# Altium PCB DM1097_R2M0E2.PcbDoc (part 2 of 7)
Units mm, origin at the board's own origin, x right, y up, seen from the top; angles counter-clockwise.
Board outline 110 x 60 mm, 6 copper layers (Top Copper, GND 1, PWR, Signal Layer 1, GND 2, Bottom Copper), stack 1.597 mm thick; 274 components, 266 nets, 1212 pads, 803 vias.
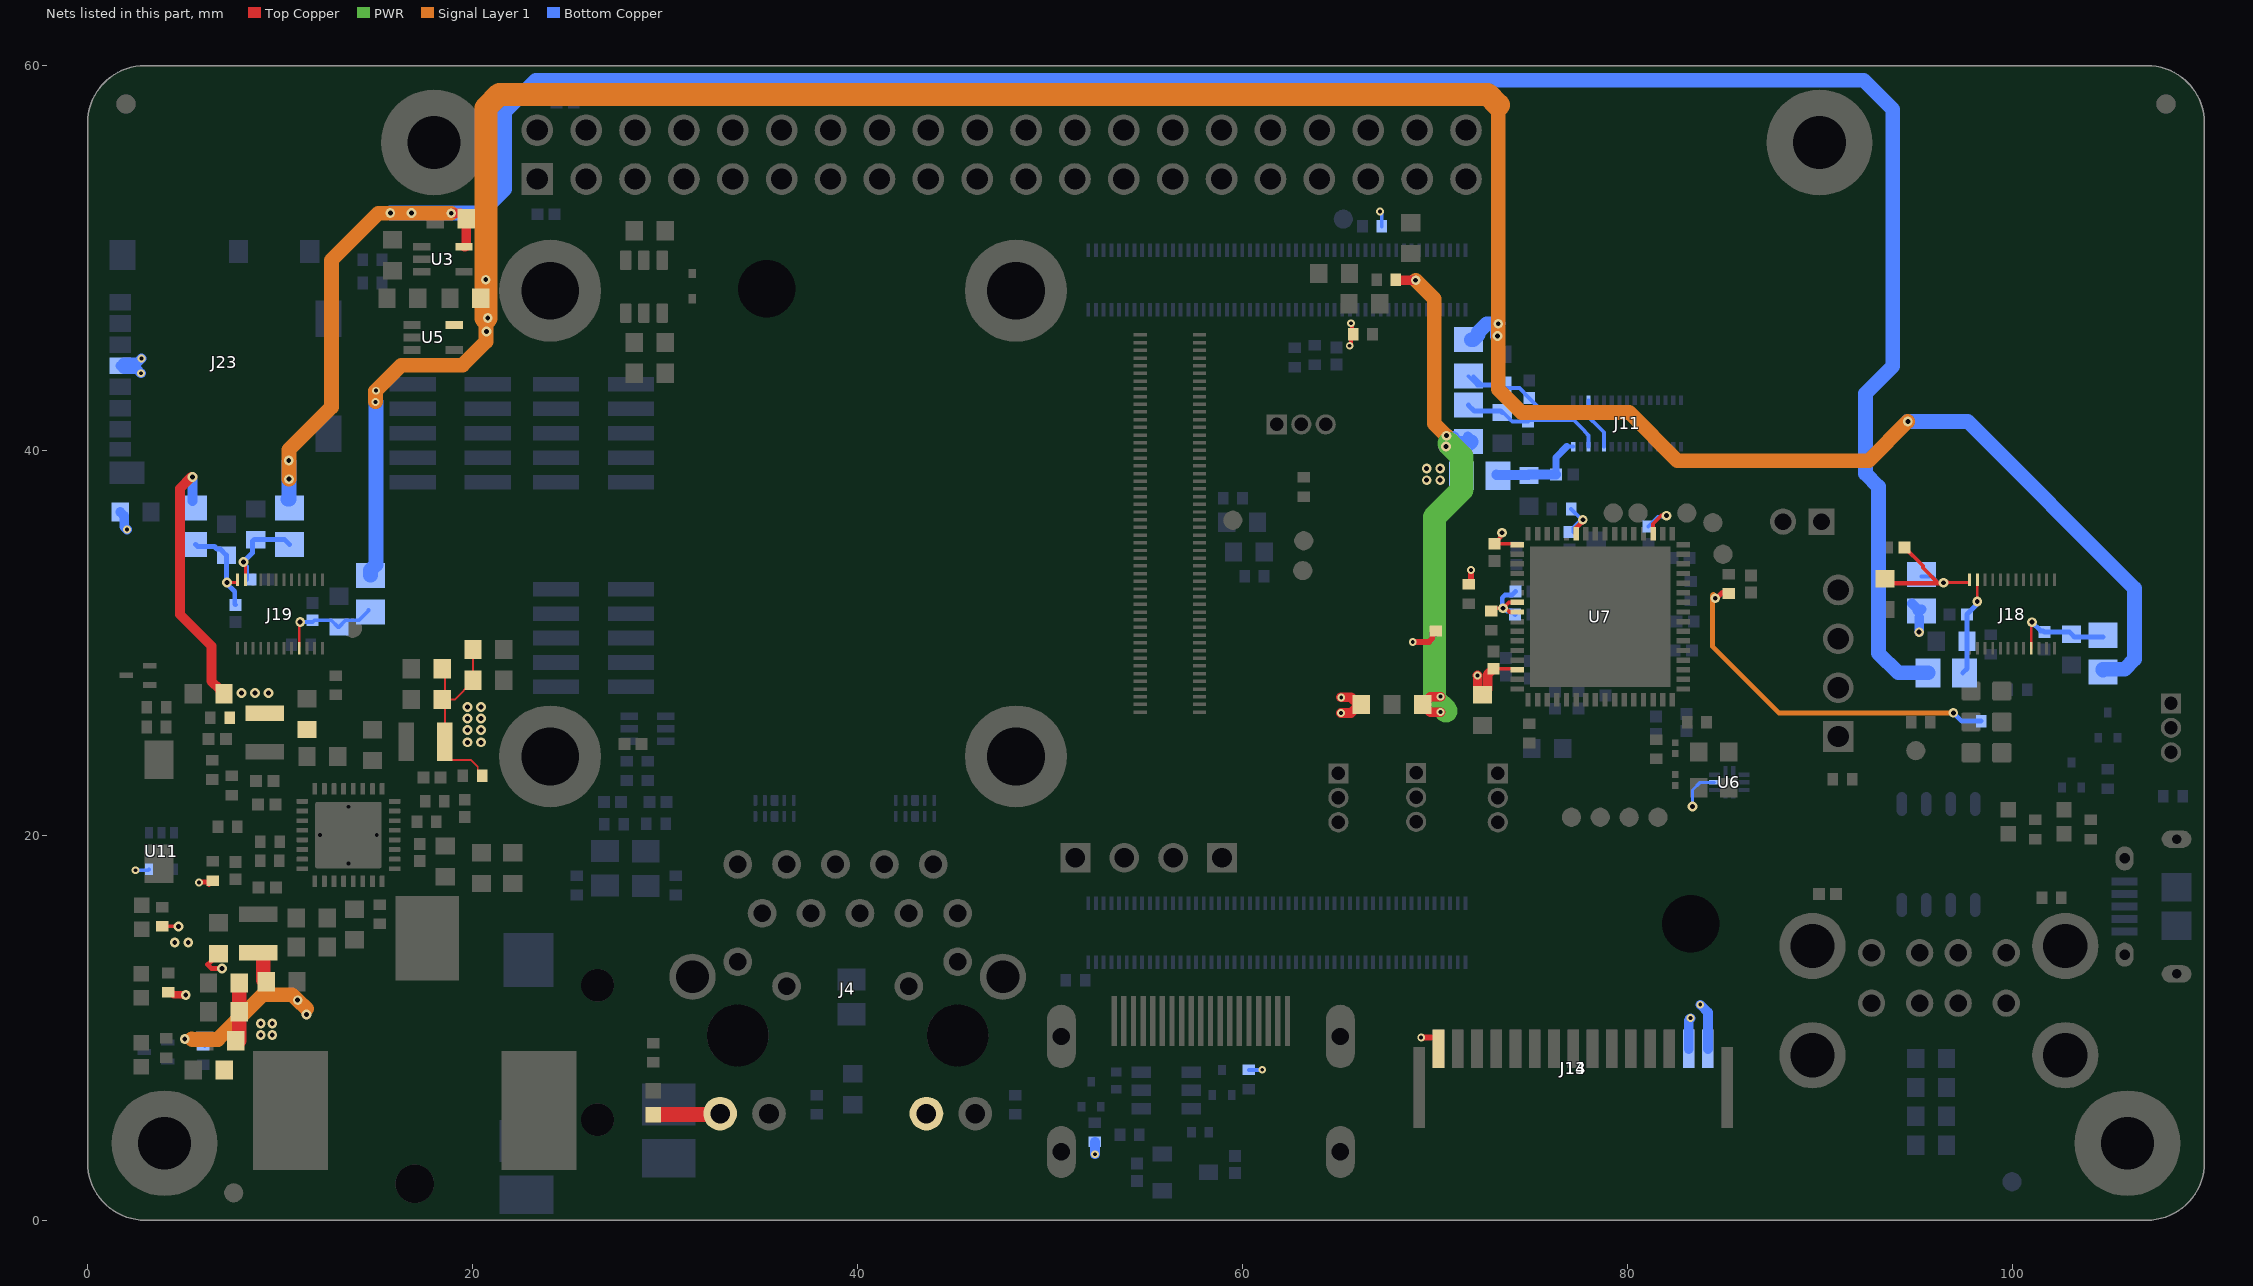
[diagram p6: the nets of this part, all layers, seen from the top]

## Footprints (in the part's own frame and the unit in brackets; to place one, negate y for a bottom-side part, rotate by r counter-clockwise, add the part's x,y. Pads: shape width x height; smd on the part's side, far side on the other; paste and mask are expansions set on the pad) (continued)
TG161B-201_HD [mm] "IPC High density version"
  rect 0.15x0.65 smd mask+0.05: 1(-2.2,1.775) 2(-1.8,1.775) 3(-1.4,1.775) 4(-1,1.775) 5(-0.6,1.775) 6(-0.2,1.775) 7(0.2,1.775) 8(0.6,1.775) 9(1,1.775) 10(1.4,1.775) 11(1.8,1.775) 12(2.2,1.775) 13(2.2,-1.775) 14(1.8,-1.775) 15(1.4,-1.775) 16(1,-1.775) 17(0.6,-1.775) 18(0.2,-1.775) 19(-0.2,-1.775) 20(-0.6,-1.775) 21(-1,-1.775) 22(-1.4,-1.775) 23(-1.8,-1.775) 24(-2.2,-1.775)
  Top Copper keep-out region: -4.25,2.25 4.25,2.25 4.25,17.25 -4.25,17.25
  Top Copper keep-out region: -4.25,17.25 4.25,17.25 4.25,25.75 -4.25,25.75
  silkscreen extent -5.25,-2.25 5.25,25.75, body extent -5.25,-2.25 5.25,25.75, height 4.4
TLV70012DCK [mm] "SC70-5 1.1mm"
  rect 0.4x0.9 smd paste-0.025 mask+0.05: 1(-0.65,-1.1) 2(0,-1.1) 3(0.65,-1.1) 4(0.65,1.1) 5(-0.65,1.1)
  silkscreen extent -1.13,-1.63 -1.07,-1.57, body extent -1.1,-1.2 1.1,1.2, height 1.1
TLV70028DCK [mm] "SC70-5 1.1mm"
  rect 0.4x0.9 smd paste-0.025 mask+0.05: 1(-0.65,-1.1) 2(0,-1.1) 3(0.65,-1.1) 4(0.65,1.1) 5(-0.65,1.1)
  silkscreen extent -0.66,-1.93 -0.61,-1.88, body extent -1.1,-1.2 1.1,1.2, height 1.1
TP100_200_NS#1 [mm] "1mm dia pad, 2mm dia clearance, no silk screen"
  round 1 smd paste-2: 1(0.222,0)
TP100_200_NS#2 [mm] "1mm dia pad, 2mm dia clearance, no silk screen"
  round 1 smd paste-2: 1(0.3,0)
TP100_200_NS#3 [mm] "1mm dia pad, 2mm dia clearance, no silk screen"
  round 1 smd paste-2: 1(0.174,0)
TP100_200_NS#4 [mm] "1mm dia pad, 2mm dia clearance, no silk screen"
  round 1 smd paste-2: 1(0.227,0)
TP100_200_NS#5 [mm] "1mm dia pad, 2mm dia clearance, no silk screen"
  round 1 smd paste-2: 1(0,0)
TPD4E02B04DQAR [mm] "TPD4E02B04DQAR"
  rrect50% 0.2x0.565 smd mask+0.07: 1(-1,-0.417) 2(-0.5,-0.417) 4(0.5,-0.417) 5(1,-0.417) 6(1,0.417) 7(0.5,0.417) 9(-0.5,0.417) 10(-1,0.417)
  rrect25% 0.4x0.565 smd mask+0.07: 3(0,-0.417) 8(0,0.417)
  silkscreen extent -1.4,-1.01 1.4,0.5, body extent -1.2,-0.71 1.2,0.71, height 0.55
TPS65266RHBT [mm] "QFN, 32-Leads, Body 5.00x5.00mm, Pitch 0.50mm, Thermal Pad 3.45x3.45mm, IPC Medium Density"
  rrect25% 0.6x0.25 smd mask+0.07: 1(-2.4,1.75) 2(-2.4,1.25) 3(-2.4,0.75) 4(-2.4,0.25) 5(-2.4,-0.25) 6(-2.4,-0.75) 7(-2.4,-1.25) 8(-2.4,-1.75) 17(2.4,-1.75) 18(2.4,-1.25) 19(2.4,-0.75) 20(2.4,-0.25) 21(2.4,0.25) 22(2.4,0.75) 23(2.4,1.25) 24(2.4,1.75)
  rrect25% 0.25x0.6 smd mask+0.07: 9(-1.75,-2.4) 10(-1.25,-2.4) 11(-0.75,-2.4) 12(-0.25,-2.4) 13(0.25,-2.4) 14(0.75,-2.4) 15(1.25,-2.4) 16(1.75,-2.4) 25(1.75,2.4) 26(1.25,2.4) 27(0.75,2.4) 28(0.25,2.4) 29(-0.25,2.4) 30(-0.75,2.4) 31(-1.25,2.4) 32(-1.75,2.4)
  round 0.406 hole 0.203: 33(-1.475,0) 33(0,-1.475) 33(1.475,0) ""(0,1.475)
  rrect5% 3.45x3.45 smd paste-10 mask+0.07: 33(0,0)
  silkscreen extent -3.13,-2.7 2.7,2.7, body extent -2.5,-2.5 2.5,2.5, height 1
TRJG0926HENL [mm] "TRXCOM TRJG0926HENL 1000BASE-T PoE"
  round 1.5 hole 0.9: 1(-5.715,8.89) 2(-4.445,6.35) 3(-3.175,8.89) 4(-1.905,6.35) 5(-0.635,8.89) 6(0.635,6.35) 7(1.905,8.89) 8(3.175,6.35) 9(4.445,8.89) 10(5.715,6.35) 11(-5.715,3.83) 12(-3.175,2.56) 13(3.175,2.56) 14(5.715,3.83)
  round 1.75 hole 1.02: 15(-6.63,-4.06) 16(-4.09,-4.06) 17(4.09,-4.06) 18(6.63,-4.06)
  round 2.4 hole 1.7: 19(8.064,3.05) 20(-8.064,3.05)
  round 3.2 hole 3.2: ""(-5.715,0) ""(5.715,0)
  silkscreen extent -8.11,-5 8.11,10.45, body extent -8.11,-10.8 8.11,10.45, height 13.65

## Part data
B1: library part DTSM-32N-V, "SWITCH TACTILE SMT 3.5mm * 6mm , brown 160gf", Manufacturer 1=Diptronics, Manufacturer Part Number 1=DTSM-32N-V-T/R, Max Operating Temperature=80°C, Min Operating Temperature=-30°C, Supplier Part Number 1=113-DTSM32NVTR, ComponentLink1Description=https://datasheet.ciiva.com/29188/708548-da-01-en-tastschalter-smd-dtsm-32n-v-tr-1600st-29188823.pdf?src-supplier=Conrad, ComponentLink1URL=https://datasheet.ciiva.com/29188/708548-da-01-en-tastschalter-smd-dtsm-32n-v-tr-1600st-29188823.pdf?src-supplier=Conrad, Height=5mm, Length=6mm, Pricing 1="1=0.38000, 10=0.38000, 50=0.31000, 100=0.28200, 500=0.25600, 1000=0.23600, 1600=0.20900, 4800=0.18800, 9600=0.17300, 10000=0.17300, 24000=0.16100 (USD)", RoHS=No, Stock 1=3199, Supplier 1=Mouser, Width=3.5mm
C6 C76: library part GRM155R61E105KA12D, "CAP CER 1UF 25V X5R 0402 10%", Capacitance=1uF, Case/Package=0402, Case Code (Metric)=1005, Dielectric=X5R, Manufacturer 1=Murata, Max Operating Temperature=85°C, Min Operating Temperature=-55°C, Package Quantity=10000, Supplier Part Number 1=490-10017-1-ND, Tolerance=10%, Voltage=25V, Case Code (Imperial)=0402, ComponentLink1Description=https://datasheet.ciiva.com/22732/1666664-22732122.pdf?src-supplier=Element14, ComponentLink1URL=https://datasheet.ciiva.com/22732/1666664-22732122.pdf?src-supplier=Element14, ComponentLink2Description=https://datasheet.ciiva.com/7719/1666664-7719006.pdf?src-supplier=Element14, ComponentLink2URL=https://datasheet.ciiva.com/7719/1666664-7719006.pdf?src-supplier=Element14, Depth=0.5mm, Height=0.5mm, Lead Free="Lead Free", Length=1mm, Manufacturer Part Number 1=GRM155R61E105KA12D, Material=Ceramic, Mount="Surface Mount", Packaging="Tape and Reel", Pricing 1="1=0.10000, 10=0.07100, 100=0.03350, 500=0.02352, 1000=0.01947, 2500=0.01812, 5000=0.01658 (USD)", REACH SVHC="No SVHC", RoHS=Yes, Stock 1=200653, Supplier 1=Digi-Key, Supplier 2=Arrow, Supplier 3=TTI, Supplier Part Number 2=GRM155R61E105KA12D, Supplier Part Number 3=GRM155R61E105KA12D, Termination=SMD/SMT, Thickness=0.022inch, Voltage Rating=25V, Voltage Rating (DC)=25V, Weight=0.000212oz, Width=0.5mm
C7: library part CL21B104KCFNNNE, "CAP CER 0.1UF 100V X7R 0805", Capacitance=100nF, Case Code (Imperial)=0805, Case Code (Metric)=2012, Dielectric=X7R, Manufacturer 1=Samsung, Max Operating Temperature=125°C, Min Operating Temperature=-55°C, Supplier Part Number 1=1276-6840-1-ND, Tolerance=10%, Voltage Rating=100V, Case/Package=0805, ComponentLink1Description=https://datasheet.ciiva.com/26936/getdatasheetpartid-781823-26936904.pdf?src-supplier=Verical, ComponentLink1URL=https://datasheet.ciiva.com/26936/getdatasheetpartid-781823-26936904.pdf?src-supplier=Verical, Depth=1.25mm, Length=2mm, Manufacturer Part Number 1=CL21B104KCFNNNE, Mount="Surface Mount", Packaging="Tape and Reel", Pricing 1="1=0.10000, 10=0.06800, 100=0.03050, 500=0.02180, 1000=0.01712 (USD)", Radiation Hardening=No, RoHS=Yes, Stock 1=93036, Supplier 1=Digi-Key, Supplier 2=Newark, Supplier 3="Future Electronics", Supplier Part Number 2=82AC9430, Supplier Part Number 3=CL21B104KCFNNNE-CUTT, Thickness=0.053inch, Width=0.049inch
C8 C9 C10 C11 C12 C14 C16 C29 C32 C34 C36 C38 C44 C56 C58 C61 C62 C63 C64 C65 C66 C67 C68 C69 C70 C71 C73 C74 C75 C83 C84 C94 C97: library part GRM155R71A104JA01D, "CAP CER 0.1UF 10V X7R 0402 5%", Capacitance=100nF, Case/Package=0402, Case Code (Metric)=1005, Dielectric=X7R, Manufacturer 1=Murata, Max Operating Temperature=125°C, Min Operating Temperature=-55°C, Package Quantity=10000, Supplier Part Number 1=490-10777-1-ND, Tolerance=5%, Voltage Rating=10V, Case Code (Imperial)=0402, ComponentLink1Description=https://datasheet.ciiva.com/5411/product-5411135.pdf?src-supplier=Mouser, ComponentLink1URL=https://datasheet.ciiva.com/5411/product-5411135.pdf?src-supplier=Mouser, ComponentLink2Description=https://datasheet.ciiva.com/11618/c02e-11618821.pdf?src-supplier=Avnet, ComponentLink2URL=https://datasheet.ciiva.com/11618/c02e-11618821.pdf?src-supplier=Avnet, Depth=0.5mm, Height=0.5mm, Lead Free="Lead Free", Length=1mm, Manufacturer Part Number 1=GRM155R71A104JA01D, Mount="Surface Mount", Packaging="Tape and Reel", Pricing 1="1=0.10000, 10=0.02500, 100=0.01130, 500=0.00806, 1000=0.00633, 2500=0.00575, 5000=0.00529 (USD)", Radiation Hardening=No, RoHS=Yes, Stock 1=1346709, Supplier 1=Digi-Key, Termination=SMD/SMT, Thickness=0.022inch, Voltage Rating (DC)=10V, Width=0.02inch
C13 C15 C17 C21 C22 C24 C25 C31 C33 C35 C37 C40 C50 C77 C78: library part GRM188R61A106ME69D, "CAP CER 10UF 10V X5R 0603 20%", Capacitance=10uF, Case/Package=0603, Case Code (Metric)=1608, Dielectric=X5R, Manufacturer 1=Murata, Max Operating Temperature=85°C, Min Operating Temperature=-55°C, Package Quantity=4000, Supplier Part Number 1=490-10475-1-ND, Tolerance=20%, Voltage Rating=10V, Case Code (Imperial)=0603, ComponentLink1Description=http://www.mouser.com/ds/2/281/c02e-2905.pdf?src-supplier=Mouser, ComponentLink1URL=http://www.mouser.com/ds/2/281/c02e-2905.pdf?src-supplier=Mouser, ComponentLink2Description=http://components.arrow.com/part/dataview/0323_06119472?src-supplier=Arrow+Europe, ComponentLink2URL=http://components.arrow.com/part/dataview/0323_06119472?src-supplier=Arrow+Europe, ComponentLink3Description=http://www.farnell.com/datasheets/2048014.pdf?src-supplier=Farnell, ComponentLink3URL=http://www.farnell.com/datasheets/2048014.pdf?src-supplier=Farnell, ComponentLink4Description=http://www.farnell.com/datasheets/1872210.pdf?src-supplier=Farnell, ComponentLink4URL=http://www.farnell.com/datasheets/1872210.pdf?src-supplier=Farnell, ComponentLink5Description=http://search.murata.co.jp/Ceramy/image/img/A01X/G101/ENG/GRM188R61A106ME69-01.pdf?src-supplier=Digi-Key, ComponentLink5URL=http://search.murata.co.jp/Ceramy/image/img/A01X/G101/ENG/GRM188R61A106ME69-01.pdf?src-supplier=Digi-Key, ComponentLink6Description=http://www.farnell.com/datasheets/1872210.pdf?src-supplier=Newark, ComponentLink6URL=http://www.farnell.com/datasheets/1872210.pdf?src-supplier=Newark, ComponentLink7Description=http://www.farnell.com/datasheets/2048014.pdf?src-supplier=Element14, ComponentLink7URL=http://www.farnell.com/datasheets/2048014.pdf?src-supplier=Element14, ComponentLink8Description=http://www.farnell.com/datasheets/2048014.pdf?src-supplier=Newark, ComponentLink8URL=http://www.farnell.com/datasheets/2048014.pdf?src-supplier=Newark, Depth=0.8mm, Height=0.8mm, Lead Free="Lead Free", Length=1.6mm, Manufacturer Part Number 1=GRM188R61A106ME69D, Material=Ceramic, Mount="Surface Mount", Packaging="Tape and Reel", Pricing 1="1=0.21000, 10=0.14100, 100=0.07130, 500=0.04876, 1000=0.04313 (USD)", REACH SVHC=Unknown, RoHS=Yes, Stock 1=2873098, Supplier 1=Digi-Key, Termination=SMD/SMT, Thickness=0.035inch, Voltage Rating (DC)=10V, Weight=0.000222oz, Width=0.8mm
C18: library part GRM155R61A225KE95D, "CAP CER 2.2UF 10V X5R 0402 10%", Capacitance=2.2uF, Case/Package=0402, Case Code (Metric)=1005, Dielectric=X5R, Manufacturer 1=Murata, Max Operating Temperature=85°C, Min Operating Temperature=-55°C, Package Quantity=10000, Supplier Part Number 1=490-10451-1-ND, Tolerance=10%, Voltage Rating=10V, Case Code (Imperial)=0402, ComponentLink1Description=http://www.mouser.com/ds/2/281/c02e-2905.pdf?src-supplier=Mouser, ComponentLink1URL=http://www.mouser.com/ds/2/281/c02e-2905.pdf?src-supplier=Mouser, ComponentLink2Description=http://components.arrow.com/part/dataview/0323_04264073?src-supplier=Arrow+Europe, ComponentLink2URL=http://components.arrow.com/part/dataview/0323_04264073?src-supplier=Arrow+Europe, ComponentLink3Description=http://www.farnell.com/datasheets/1872202.pdf?src-supplier=Farnell, ComponentLink3URL=http://www.farnell.com/datasheets/1872202.pdf?src-supplier=Farnell, ComponentLink4Description=http://www.farnell.com/datasheets/2047915.pdf?src-supplier=Farnell, ComponentLink4URL=http://www.farnell.com/datasheets/2047915.pdf?src-supplier=Farnell, ComponentLink5Description=http://www.farnell.com/datasheets/1872202.pdf?src-supplier=Element14, ComponentLink5URL=http://www.farnell.com/datasheets/1872202.pdf?src-supplier=Element14, ComponentLink6Description=http://psearch.en.murata.com/capacitor/product/GRM155R61A225KE95%23.pdf?src-supplier=Avnet, ComponentLink6URL=http://psearch.en.murata.com/capacitor/product/GRM155R61A225KE95%23.pdf?src-supplier=Avnet, ComponentLink7Description=http://www.farnell.com/datasheets/2047915.pdf?src-supplier=Element14, ComponentLink7URL=http://www.farnell.com/datasheets/2047915.pdf?src-supplier=Element14, ComponentLink8Description=https://search.murata.co.jp/Ceramy/image/img/A01X/G101/ENG/GRM155R61A225KE95-01.pdf?src-supplier=Digi-Key, ComponentLink8URL=https://search.murata.co.jp/Ceramy/image/img/A01X/G101/ENG/GRM155R61A225KE95-01.pdf?src-supplier=Digi-Key, ComponentLink9Description=http://www.farnell.com/datasheets/2047915.pdf?src-supplier=Newark, ComponentLink9URL=http://www.farnell.com/datasheets/2047915.pdf?src-supplier=Newark, Depth=0.5mm, Height=0.5mm, Lead Free="Lead Free", Length=1mm, Manufacturer Part Number 1=GRM155R61A225KE95D, Material=Ceramic, Mount="Surface Mount", Packaging="Tape and Reel", Pricing 1="1=0.13000, 10=0.09000, 100=0.04250, 500=0.02982, 1000=0.02469, 2500=0.02298, 5000=0.02103 (USD)", REACH SVHC="No SVHC", RoHS=Yes, Stock 1=1453518, Supplier 1=Digi-Key, Termination=SMD/SMT, Thickness=0.022inch, Voltage Rating (DC)=10V, Weight=0.000212oz, Width=0.5mm
C19 C20 C27 C30 C39 C41 C42 C43 C45 C48 C49 C51 C52 C54 C55 C79 C80 C81 C82 C89 C91 C92 C126 C127: library part GRM188R61A226ME15D, "CAP CER 22UF 10V X5R 0603 20%", Capacitance=22uF, Case/Package=0603, Case Code (Metric)=1608, Dielectric=X5R, Manufacturer 1=Murata, Max Operating Temperature=85°C, Min Operating Temperature=-55°C, Package Quantity=4000, Supplier Part Number 1=490-10476-1-ND, Tolerance=20%, Voltage Rating=10V, Case Code (Imperial)=0603, ComponentLink1Description=https://datasheet.ciiva.com/46444/1769893-46444975.pdf?src-supplier=Element14, ComponentLink1URL=https://datasheet.ciiva.com/46444/1769893-46444975.pdf?src-supplier=Element14, Depth=0.8mm, Height=0.8mm, Lead Free="Lead Free", Length=1.6mm, Manufacturer Part Number 1=GRM188R61A226ME15D, Material=Ceramic, Mount="Surface Mount", Packaging="Tape and Reel", Pricing 1="1=0.31000, 10=0.21500, 100=0.12160, 500=0.08584, 1000=0.07512 (USD)", REACH SVHC="No SVHC", RoHS=Yes, Stock 1=984716, Supplier 1=Digi-Key, Termination=SMD/SMT, Thickness=0.039inch, Voltage Rating (DC)=10V, Weight=0.000222oz, Width=0.8mm
C23 C72 C87: library part GRM188R61C475KAAJD, "CAP CER 4.7UF 16V X5R 0603 10%", Capacitance=4.7uF, Case/Package=0603, Case Code (Metric)=1608, Dielectric=X5R, Manufacturer 1=Murata, Max Operating Temperature=85°C, Min Operating Temperature=-55°C, Package Quantity=4000, Supplier Part Number 1=490-10481-1-ND, Tolerance=10%, Voltage Rating=16V, Case Code (Imperial)=0603, ComponentLink1Description=https://datasheet.ciiva.com/14813/595grm188r61c475kaaj23-14813668.pdf?src-supplier=Arrow, ComponentLink1URL=https://datasheet.ciiva.com/14813/595grm188r61c475kaaj23-14813668.pdf?src-supplier=Arrow, Depth=0.8mm, Height=0.8mm, Lead Free="Lead Free", Length=1.6mm, Manufacturer 2=Murata, Manufacturer 3=Murata, Manufacturer Part Number 1=GRM188R61C475KAAJD, Manufacturer Part Number 2=GRM188R61C475KAAJD, Manufacturer Part Number 3=GRM188R61C475KAAJD, Material=Ceramic, Mount="Surface Mount", Packaging="Tape and Reel", Pricing 1="1=0.35000, 10=0.24600, 100=0.14730, 500=0.11050, 1000=0.09331 (USD)", Pricing 2="1=0.35000, 10=0.24600, 100=0.14730, 500=0.11050, 1000=0.09331 (USD)", Pricing 3="4000=0.07259, 8000=0.06832, 12000=0.06619, 28000=0.06405 (USD)", REACH SVHC="No SVHC", RoHS=Yes, Stock 1=455058, Stock 2=455058, Stock 3=452000, Supplier 1=Digi-Key, Supplier 2=Digi-Key, Supplier 3=Digi-Key, Supplier Part Number 2=490-10481-6-ND, Supplier Part Number 3=490-10481-2-ND, Termination=SMD/SMT, Thickness=0.037inch, Voltage Rating (DC)=16V, Weight=0.000222oz, Width=0.8mm
C28 C46 C53: library part GRM155R71E473KA88D, "CAP CER 0.047UF 25V X7R 0402 10%", Capacitance=47nF, Case/Package=0402, Case Code (Metric)=1005, Dielectric=X7R, Manufacturer=Murata, Max Operating Temperature=125°C, Min Operating Temperature=-55°C, Package Quantity=1, Supplier Part Number 1=490-3254-1-ND, Tolerance=10%, Voltage=25V, Case Code (Imperial)=0402, ComponentLink1Description=https://datasheet.ciiva.com/17455/product-17455616.pdf?src-supplier=Avnet+Europe, ComponentLink1URL=https://datasheet.ciiva.com/17455/product-17455616.pdf?src-supplier=Avnet+Europe, ComponentLink2Description=https://datasheet.ciiva.com/131/grm155r71e473ka88-01-131494.pdf?src-supplier=Digi-Key, ComponentLink2URL=https://datasheet.ciiva.com/131/grm155r71e473ka88-01-131494.pdf?src-supplier=Digi-Key, ComponentLink3Description=https://datasheet.ciiva.com/34302/1856425-34302854.pdf?src-supplier=Jameco, ComponentLink3URL=https://datasheet.ciiva.com/34302/1856425-34302854.pdf?src-supplier=Jameco, ComponentLink4Description=https://datasheet.ciiva.com/18184/getdatasheetpartid-153136-18184712.pdf?src-supplier=Verical, ComponentLink4URL=https://datasheet.ciiva.com/18184/getdatasheetpartid-153136-18184712.pdf?src-supplier=Verical, ComponentLink5Description=https://datasheet.ciiva.com/29199/454180-da-01-en-vs-kondensator-0402-29199826.pdf?src-supplier=Conrad, ComponentLink5URL=https://datasheet.ciiva.com/29199/454180-da-01-en-vs-kondensator-0402-29199826.pdf?src-supplier=Conrad, ComponentLink6Description=https://datasheet.ciiva.com/2989/product-2989395.pdf?src-supplier=Avnet, ComponentLink6URL=https://datasheet.ciiva.com/2989/product-2989395.pdf?src-supplier=Avnet, ComponentLink7Description=https://datasheet.ciiva.com/131/grm155r71e473ka88-01-131492.pdf?src-supplier=Digi-Key, ComponentLink7URL=https://datasheet.ciiva.com/131/grm155r71e473ka88-01-131492.pdf?src-supplier=Digi-Key, ComponentLink8Description=https://datasheet.ciiva.com/131/grm155r71e473ka88-01-131493.pdf?src-supplier=Digi-Key, ComponentLink8URL=https://datasheet.ciiva.com/131/grm155r71e473ka88-01-131493.pdf?src-supplier=Digi-Key, ComponentLink9Description=https://datasheet.ciiva.com/7937/608985-7937623.pdf?src-supplier=Element14, ComponentLink9URL=https://datasheet.ciiva.com/7937/608985-7937623.pdf?src-supplier=Element14, ComponentLink10Description=https://datasheet.ciiva.com/14103/grmseries-highdielectrictype-eng-14103754.pdf?src-supplier=Distrelec, ComponentLink10URL=https://datasheet.ciiva.com/14103/grmseries-highdielectrictype-eng-14103754.pdf?src-supplier=Distrelec, ComponentLink11Description=https://datasheet.ciiva.com/5424/product-5424844.pdf?src-supplier=Mouser, ComponentLink11URL=https://datasheet.ciiva.com/5424/product-5424844.pdf?src-supplier=Mouser, ComponentLink12Description=https://datasheet.ciiva.com/16213/product-16213823.pdf?src-supplier=Future+Electronics, ComponentLink12URL=https://datasheet.ciiva.com/16213/product-16213823.pdf?src-supplier=Future+Electronics, Depth=0.5mm, Height=0.5mm, Lead Free="Lead Free", Length=1mm, Manufacturer 1=Murata, Manufacturer Part Number=GRM155R71E473KA88D, Manufacturer Part Number 1=GRM155R71E473KA88D, Material=Ceramic, Mount="Surface Mount", Number of Pins=2, Packaging="Tape and Reel", Pricing 1="1=0.10000, 10=0.06300, 100=0.02820, 500=0.02012, 1000=0.01581, 2500=0.01438, 5000=0.01323 (USD)", Radiation Hardening=No, REACH SVHC="No SVHC", RoHS=Yes, Stock 1=1130633, Supplier 1=Digi-Key, Termination=SMD/SMT, Thickness=0.022inch, Voltage Rating=25V, Voltage Rating (DC)=25V, Width=0.02inch
C47 C57 C59 C60: library part GRM155R71H103KA88D, "CAP CER 10000PF 50V X7R 0402", Capacitance=10nF, Case/Package=0402, Case Code (Metric)=1005, Dielectric=X7R, Manufacturer 1=Murata, Max Operating Temperature=125°C, Min Operating Temperature=-55°C, Package Quantity=1, Supplier Part Number 1=490-4516-1-ND, Tolerance=10%, Voltage=25V, Voltage Rating=50V, Case Code (Imperial)=0402, ComponentLink1Description=https://datasheet.ciiva.com/129/product-129810.pdf?src-supplier=Digi-Key, ComponentLink1URL=https://datasheet.ciiva.com/129/product-129810.pdf?src-supplier=Digi-Key, ComponentLink2Description=https://datasheet.ciiva.com/19476/1856433-19476546.pdf?src-supplier=Jameco, ComponentLink2URL=https://datasheet.ciiva.com/19476/1856433-19476546.pdf?src-supplier=Jameco, ComponentLink3Description=https://datasheet.ciiva.com/11786/0900766b80ef921d-11786340.pdf?src-supplier=RSComponents, ComponentLink3URL=https://datasheet.ciiva.com/11786/0900766b80ef921d-11786340.pdf?src-supplier=RSComponents, ComponentLink4Description=https://datasheet.ciiva.com/18100/getdatasheetpartid-27434-18100660.pdf?src-supplier=Verical, ComponentLink4URL=https://datasheet.ciiva.com/18100/getdatasheetpartid-27434-18100660.pdf?src-supplier=Verical, ComponentLink5Description=https://datasheet.ciiva.com/22698/1747449-22698420.pdf?src-supplier=Element14, ComponentLink5URL=https://datasheet.ciiva.com/22698/1747449-22698420.pdf?src-supplier=Element14, ComponentLink6Description=https://datasheet.ciiva.com/29199/454225-da-01-en-vs-kondensator-0402-29199740.pdf?src-supplier=Conrad, ComponentLink6URL=https://datasheet.ciiva.com/29199/454225-da-01-en-vs-kondensator-0402-29199740.pdf?src-supplier=Conrad, ComponentLink7Description=https://datasheet.ciiva.com/129/grm155r71h103ka88-01-129811.pdf?src-supplier=Digi-Key, ComponentLink7URL=https://datasheet.ciiva.com/129/grm155r71h103ka88-01-129811.pdf?src-supplier=Digi-Key, ComponentLink8Description=https://datasheet.ciiva.com/129/grm155r71h103ka88-01-129812.pdf?src-supplier=Digi-Key, ComponentLink8URL=https://datasheet.ciiva.com/129/grm155r71h103ka88-01-129812.pdf?src-supplier=Digi-Key, ComponentLink9Description=https://datasheet.ciiva.com/16495/product-16495290.pdf?src-supplier=Future+Electronics, ComponentLink9URL=https://datasheet.ciiva.com/16495/product-16495290.pdf?src-supplier=Future+Electronics, ComponentLink10Description=https://datasheet.ciiva.com/5410/product-5410990.pdf?src-supplier=Mouser, ComponentLink10URL=https://datasheet.ciiva.com/5410/product-5410990.pdf?src-supplier=Mouser, Depth=0.5mm, Height=0.5mm, Lead Free="Lead Free", Length=1mm, Manufacturer Part Number 1=GRM155R71H103KA88D, Material=Ceramic, Mount="Surface Mount", Number of Pins=2, Packaging="Tape and Reel", Pricing 1="1=0.10000, 10=0.03800, 100=0.01690, 500=0.01208, 1000=0.00949, 2500=0.00862, 5000=0.00794 (USD)", Radiation Hardening=No, REACH SVHC="No SVHC", RoHS=Yes, Stock 1=6923572, Supplier 1=Digi-Key, Supplier 2=Mouser, Supplier 3=Arrow, Supplier Part Number 2=81-GRM155R71H103KA8D, Supplier Part Number 3=GRM155R71H103KA88D, Termination=SMD/SMT, Thickness=0.022inch, Voltage Rating (DC)=50V, Width=0.02inch
C85 C86: library part GRM0335C1E330JA01D, "CAP CER 33PF 25V C0G/NP0 0201", Capacitance=33pF, Case/Package=0201, Case Code (Metric)=0603, Dielectric=C0G, Manufacturer 1=Murata, Max Operating Temperature=125°C, Min Operating Temperature=-55°C, Package Quantity=15000, Supplier Part Number 1=490-10678-1-ND, Tolerance=5%, Voltage Rating=25V, Case Code (Imperial)=0201, ComponentLink1Description=https://datasheet.ciiva.com/29538/partnumbering-e-01-29538933.pdf?src-supplier=Digi-Key, ComponentLink1URL=https://datasheet.ciiva.com/29538/partnumbering-e-01-29538933.pdf?src-supplier=Digi-Key, Depth=0.3mm, Height=0.3mm, Lead Free="Lead Free", Length=0.6mm, Manufacturer Part Number 1=GRM0335C1E330JA01D, Mount="Surface Mount", Packaging="Tape and Reel", Pricing 1="1=0.10000, 10=0.01500, 100=0.00680, 500=0.00484, 1000=0.00380, 2500=0.00345, 5000=0.00317 (USD)", REACH SVHC="No SVHC", RoHS=Yes, Stock 1=1107200, Supplier 1=Digi-Key, Supplier 2=Mouser, Supplier Part Number 2=81-GRM0335C1E330JA1D, Termination=SMD/SMT, Thickness=0.013inch, Voltage Rating (DC)=25V, Width=0.012inch
C93 C96: library part GRM21BR60J476ME15L, "CAP CER 47UF 6.3V X5R 0805", Capacitance=47uF, Case/Package=0805, Case Code (Metric)=2012, Dielectric=X5R, Manufacturer 1=Murata, Max Operating Temperature=85°C, Min Operating Temperature=-55°C, Package Quantity=3000, Supplier Part Number 1=490-9960-1-ND, Tolerance=20%, Voltage=6.3V, Case Code (Imperial)=0805, ComponentLink1Description=https://datasheet.ciiva.com/46444/1754700-46444997.pdf?src-supplier=Element14, ComponentLink1URL=https://datasheet.ciiva.com/46444/1754700-46444997.pdf?src-supplier=Element14, Depth=1.25mm, Height=1.25mm, Lead Free="Lead Free", Length=2mm, Manufacturer Part Number 1=GRM21BR60J476ME15L, Mount="Surface Mount", Packaging="Tape and Reel", Pricing 1="1=0.48000, 10=0.33900, 100=0.22360, 500=0.16560, 1000=0.14076 (USD)", REACH SVHC="No SVHC", RoHS=Yes, Stock 1=16165, Supplier 1=Digi-Key, Supplier 2=Newark, Supplier 3=Mouser, Supplier Part Number 2=40X5890, Supplier Part Number 3=81-GRM21BR60J476ME5L, Termination=SMD/SMT, Thickness=0.057inch, Voltage Rating=6.3V, Voltage Rating (DC)=6.3V, Weight=0.000335oz, Width=0.049inch
C95: library part GRM155R71A104JA01D, "CAP CER 0.1UF 10V X7R 0402 5%", Capacitance=100nF, Case Code (Imperial)=0402, Case Code (Metric)=1005, Dielectric=X7R, Manufacturer 1=Murata, Max Operating Temperature=125°C, Min Operating Temperature=-55°C, Package Quantity=10000, Supplier Part Number 1=490-10777-1-ND, Tolerance=5%, Voltage Rating=10V, Case/Package=0402, ComponentLink1Description=https://datasheet.ciiva.com/5411/product-5411135.pdf?src-supplier=Mouser, ComponentLink1URL=https://datasheet.ciiva.com/5411/product-5411135.pdf?src-supplier=Mouser, ComponentLink2Description=https://datasheet.ciiva.com/11618/c02e-11618821.pdf?src-supplier=Avnet, ComponentLink2URL=https://datasheet.ciiva.com/11618/c02e-11618821.pdf?src-supplier=Avnet, Depth=0.5mm, Height=0.5mm, Lead Free="Lead Free", Length=1mm, Manufacturer Part Number 1=GRM155R71A104JA01D, Mount="Surface Mount", Packaging="Tape and Reel", Pricing 1="1=0.10000, 10=0.02500, 100=0.01130, 500=0.00806, 1000=0.00633, 2500=0.00575, 5000=0.00529 (USD)", Radiation Hardening=No, RoHS=Yes, Stock 1=1346709, Supplier 1=Digi-Key, Termination=SMD/SMT, Thickness=0.022inch, Voltage Rating (DC)=10V, Width=0.02inch
CM4: library part CM4, "Raspberry Pi Compute Module 4 / Two receptacle 100-pin connectors", Manufacturer 1=Hirose, Manufacturer Part Number 1=DF40HC(3.0)-100DS-0.4V(51, ComponentLink1Description=https://datasheet.ciiva.com/46636/ed-df40-20140305-46636517.pdf?src-supplier=Digi-Key, ComponentLink1URL=https://datasheet.ciiva.com/46636/ed-df40-20140305-46636517.pdf?src-supplier=Digi-Key, ComponentLink2Description=https://datasheet.ciiva.com/18562/ed-df40-20140305-18562189.pdf?src-supplier=Digi-Key, ComponentLink2URL=https://datasheet.ciiva.com/18562/ed-df40-20140305-18562189.pdf?src-supplier=Digi-Key, ComponentLink3Description=https://datasheet.ciiva.com/13559/ed-df40-20140305-13559540.pdf?src-supplier=Mouser, ComponentLink3URL=https://datasheet.ciiva.com/13559/ed-df40-20140305-13559540.pdf?src-supplier=Mouser, ComponentLink4Description=https://datasheet.ciiva.com/18562/ed-df40-20140305-18562462.pdf?src-supplier=Digi-Key, ComponentLink4URL=https://datasheet.ciiva.com/18562/ed-df40-20140305-18562462.pdf?src-supplier=Digi-Key
D1 D2: "TVS DIODE 3.6V 8.8V 10USON 8.8V (Typ) Clamp 5A (8/20µs) Ipp Tvs Diode Surface Mount 10-USON (2.5x1)", Clamping Voltage=8.8V, Manufacturer 1="Texas Instruments", Max Operating Temperature=125°C, Min Breakdown Voltage=5.5V, Min Operating Temperature=-40°C, Operating Supply Voltage=3.6V, Peak Pulse Current=5A, Peak Pulse Power=17W, Power Line Protection=No, Supplier Part Number 1=296-43875-1-ND, ComponentLink1Description=http://www.ti.com/general/docs/lit/getliterature.tsp?genericPartNumber=TPD4E02B04&amp;&amp;fileType=pdf&src-supplier=Element14, ComponentLink1URL=http://www.ti.com/general/docs/lit/getliterature.tsp?genericPartNumber=TPD4E02B04&amp;&amp;fileType=pdf&src-supplier=Element14, ComponentLink2Description=http://www.ti.com/lit/ds/symlink/tpd4e02b04.pdf?src-supplier=Farnell, ComponentLink2URL=http://www.ti.com/lit/ds/symlink/tpd4e02b04.pdf?src-supplier=Farnell, ComponentLink3Description=http://www.ti.com/lit/ds/symlink/tpd4e02b04.pdf?src-supplier=Newark, ComponentLink3URL=http://www.ti.com/lit/ds/symlink/tpd4e02b04.pdf?src-supplier=Newark, ComponentLink4Description=http://www.ti.com/lit/ds/symlink/tpd4e02b04.pdf?src-supplier=Digi-Key, ComponentLink4URL=http://www.ti.com/lit/ds/symlink/tpd4e02b04.pdf?src-supplier=Digi-Key, Composition=Zener, Interface=USB,HDMI, Lead Free="Lead Free", Manufacturer Part Number 1=TPD4E02B04DQAR, Mount="Surface Mount", Number of Bidirectional Channels=4, Number of Channels=4, Number of Pins=10, Packaging="Cut Tape", Pricing 1="1=0.69000, 10=0.60800, 100=0.46650, 500=0.36874, 1000=0.29499 (USD)", REACH SVHC="No SVHC", Reverse Standoff Voltage=3.6V, RoHS=Yes, Stock 1=25615, Supplier 1=Digi-Key
D3: "DIODE GEN PURP 75V 200MA SOD523", Average Rectified Current=200mA, Capacitance=2pF, Case/Package=SOD-523-2, Forward Voltage=1.25V, Manufacturer 1="ON Semiconductor", Max Forward Surge Current (Ifsm)=500mA, Max Operating Temperature=150°C, Max Repetitive Reverse Voltage (Vrrm)=75V, Max Reverse Leakage Current=1uA, Min Operating Temperature=-55°C, Package Quantity=1, Power Dissipation=200mW, Supplier Part Number 1=BAS16XV2T1GOSCT-ND, ComponentLink1Description=https://datasheet.ciiva.com/915/bas16xv2t1-d-915360.pdf?src-supplier=Digi-Key, ComponentLink1URL=https://datasheet.ciiva.com/915/bas16xv2t1-d-915360.pdf?src-supplier=Digi-Key, ComponentLink2Description=https://datasheet.ciiva.com/4434/bas16xv2t1-d-103464-4434928.pdf?src-supplier=Mouser, ComponentLink2URL=https://datasheet.ciiva.com/4434/bas16xv2t1-d-103464-4434928.pdf?src-supplier=Mouser, ComponentLink3Description=https://datasheet.ciiva.com/22663/1708232-22663646.pdf?src-supplier=Element14, ComponentLink3URL=https://datasheet.ciiva.com/22663/1708232-22663646.pdf?src-supplier=Element14, ComponentLink4Description=https://datasheet.ciiva.com/36525/806485-36525908.pdf?src-supplier=Jameco, ComponentLink4URL=https://datasheet.ciiva.com/36525/806485-36525908.pdf?src-supplier=Jameco, ComponentLink5Description=https://datasheet.ciiva.com/15144/getdatasheetpartid-84399-15144565.pdf?src-supplier=Verical, ComponentLink5URL=https://datasheet.ciiva.com/15144/getdatasheetpartid-84399-15144565.pdf?src-supplier=Verical, ComponentLink6Description=https://datasheet.ciiva.com/16475/bas16xv2t1-d-16475723.pdf?src-supplier=Avnet+Asia, ComponentLink6URL=https://datasheet.ciiva.com/16475/bas16xv2t1-d-16475723.pdf?src-supplier=Avnet+Asia, ComponentLink7Description=https://datasheet.ciiva.com/25930/bas16xv2t1-d-25930683.pdf?src-supplier=Avnet+Europe, ComponentLink7URL=https://datasheet.ciiva.com/25930/bas16xv2t1-d-25930683.pdf?src-supplier=Avnet+Europe, Contact Plating=Tin,Matte, Element Configuration=Single, Forward Current=200mA, Halogen Free="Halogen Free", Height=0.7mm, Lead Free="Lead Free", Length=1.3mm, Manufacturer 2="ON Semiconductor", Manufacturer Part Number 1=BAS16XV2T1G, Manufacturer Part Number 2=BAS16XV2T1G, Max Reverse Voltage (DC)=75V, Max Surge Current=500mA, Number of Pins=2, Output Current=200mA, Packaging="Tape and Reel", Peak Non-Repetitive Surge Current=500mA, Peak Reverse Current=1uA, Polarity=Standard, Pricing 1="1=0.13000, 10=0.11600, 100=0.06330, 500=0.03898, 1000=0.02658 (USD)", Pricing 2="1=0.13000, 10=0.11600, 100=0.06330, 500=0.03898, 1000=0.02658 (USD)", Radiation Hardening=No, REACH SVHC="No SVHC", Recovery Time=6ns, Reverse Recovery Time=6ns, RoHS=Yes, Stock 1=246371, Stock 2=246371, Supplier 1=Digi-Key, Supplier 2=Digi-Key, Supplier Part Number 2=BAS16XV2T1GOSDKR-ND, Width=0.9mm
D4 D17: library part SML-D12M8WT86, "LED GREEN DIFFUSED 0603 SMD Green 572nm LED Indication - Discrete 2.2V 0603 (1608 Metric)", Case Code (Imperial)=0603, Case Code (Metric)=1608, Color=Green,Yellow, Forward Current=20mA, Forward Voltage=2.2V, Illumination Color=Green, Lens Color=White,Diffused, Lens Colour=White,Clear,Diffused, Manufacturer=Rohm, Max Operating Temperature=85°C, Min Operating Temperature=-40°C, Package Quantity=1, Supplier Part Number 1=511-1578-1-ND, Case/Package=0603, Colour=Green,Yellow, ComponentLink1Description=https://datasheet.ciiva.com/11774/0900766b80df3ada-11774260.pdf, ComponentLink1URL=https://datasheet.ciiva.com/11774/0900766b80df3ada-11774260.pdf, ComponentLink2Description=https://datasheet.ciiva.com/3161/sml-d1-3161419.pdf, ComponentLink2URL=https://datasheet.ciiva.com/3161/sml-d1-3161419.pdf, ComponentLink3Description=https://datasheet.ciiva.com/2110/sml-d1-2110396.pdf, ComponentLink3URL=https://datasheet.ciiva.com/2110/sml-d1-2110396.pdf, ComponentLink4Description=https://datasheet.ciiva.com/2110/sml-d1-2110397.pdf, ComponentLink4URL=https://datasheet.ciiva.com/2110/sml-d1-2110397.pdf, ComponentLink5Description=https://datasheet.ciiva.com/2110/sml-d1-2110398.pdf, ComponentLink5URL=https://datasheet.ciiva.com/2110/sml-d1-2110398.pdf, ComponentLink6Description=https://datasheet.ciiva.com/11774/0900766b80df3ada-11774260.pdf?src-supplier=RSComponents, ComponentLink6URL=https://datasheet.ciiva.com/11774/0900766b80df3ada-11774260.pdf?src-supplier=RSComponents, ComponentLink7Description=https://datasheet.ciiva.com/3161/sml-d1-3161419.pdf?src-supplier=Avnet, ComponentLink7URL=https://datasheet.ciiva.com/3161/sml-d1-3161419.pdf?src-supplier=Avnet, ComponentLink8Description=https://datasheet.ciiva.com/2110/sml-d1-2110396.pdf?src-supplier=Digi-Key, ComponentLink8URL=https://datasheet.ciiva.com/2110/sml-d1-2110396.pdf?src-supplier=Digi-Key, ComponentLink9Description=https://datasheet.ciiva.com/2110/sml-d1-2110397.pdf?src-supplier=Digi-Key, ComponentLink9URL=https://datasheet.ciiva.com/2110/sml-d1-2110397.pdf?src-supplier=Digi-Key, ComponentLink10Description=https://datasheet.ciiva.com/2110/sml-d1-2110398.pdf?src-supplier=Digi-Key, ComponentLink10URL=https://datasheet.ciiva.com/2110/sml-d1-2110398.pdf?src-supplier=Digi-Key, Dominant Wavelength=572nm, Height=0.65mm, Illumination Colour=Green, Lead Free="Lead Free", Length=1.6mm, Lens Style=Diffused,Colorless,Rectangular, Lens Transparency=Diffused, Luminous Intensity=25mcd, Manufacturer 1=Rohm, Manufacturer Part Number=SML-D12M8WT86, Manufacturer Part Number 1=SML-D12M8WT86, Mount="Surface Mount", Number of LEDs=1, Number of Pins=2, Packaging="Tape and Reel", Pricing 1="1=0.33000, 10=0.23900, 100=0.11340, 500=0.07560, 1000=0.05922 (USD)", Radiation Hardening=No, REACH SVHC=Unknown, RoHS=Yes, Stock 1=112971, Supplier 1=Digi-Key, Test Current=20mA, Viewing Angle=160°, Wavelength=572nm, Width=0.8mm